# Altium PCB PCB1.PcbDoc (part 1 of 2)
Units mm, origin at the board's own origin, x right, y up, seen from the top; angles counter-clockwise.
Board outline 45.33 x 29.59 mm, 4 copper layers (Top Layer, Int1 (GND), Int2 (PWR), Bottom Layer), stack 1.586 mm thick; 72 components, 53 nets, 240 pads, 118 vias.
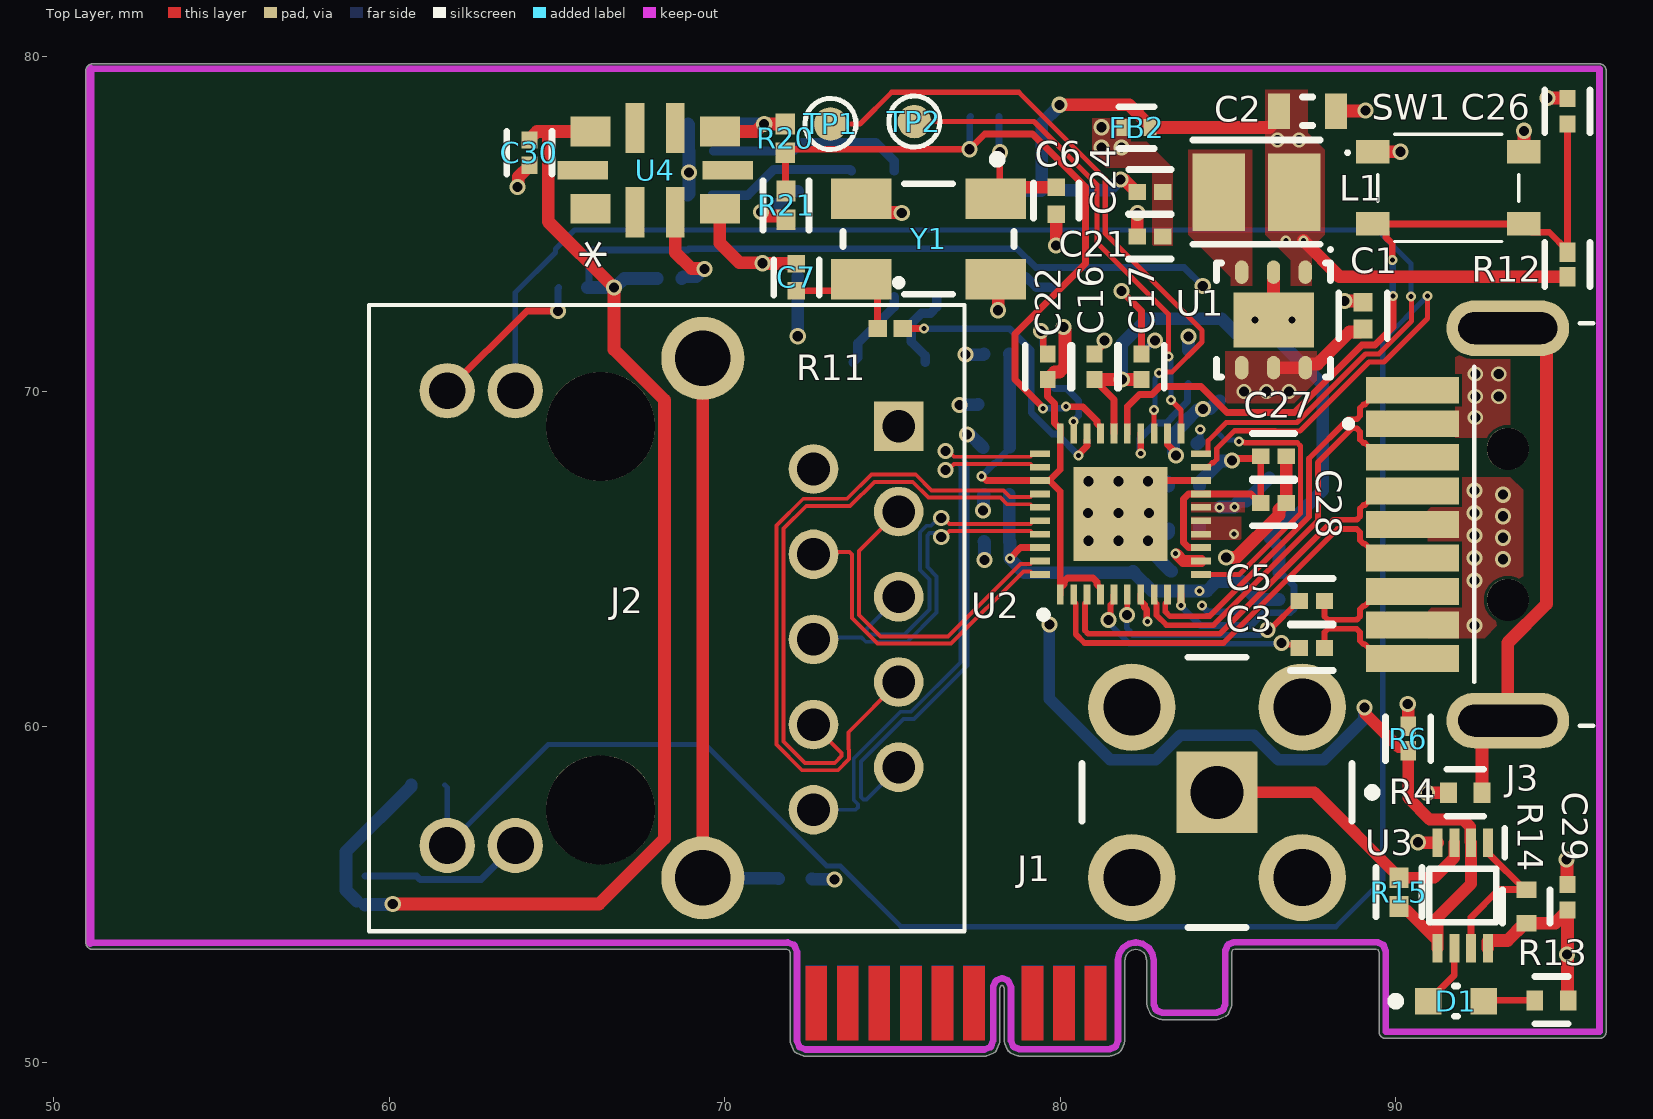
[diagram p0: Top Layer view]
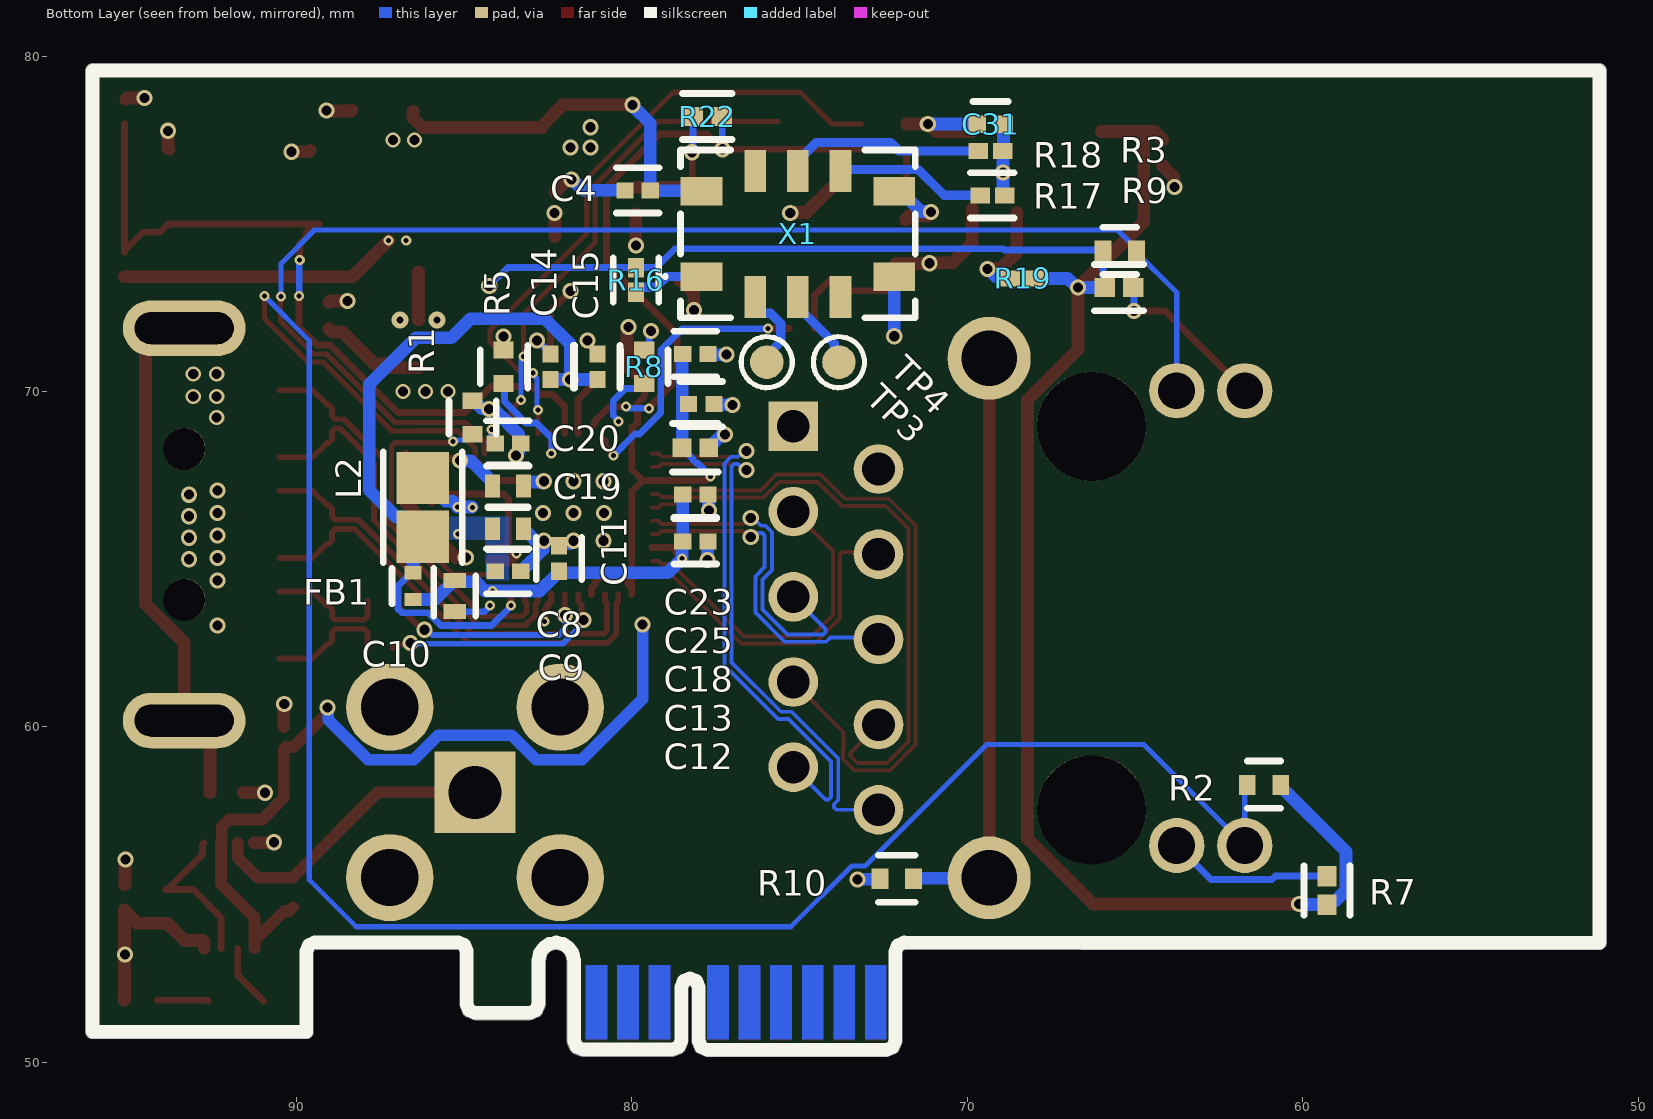
[diagram p1: Bottom Layer view, seen from below]
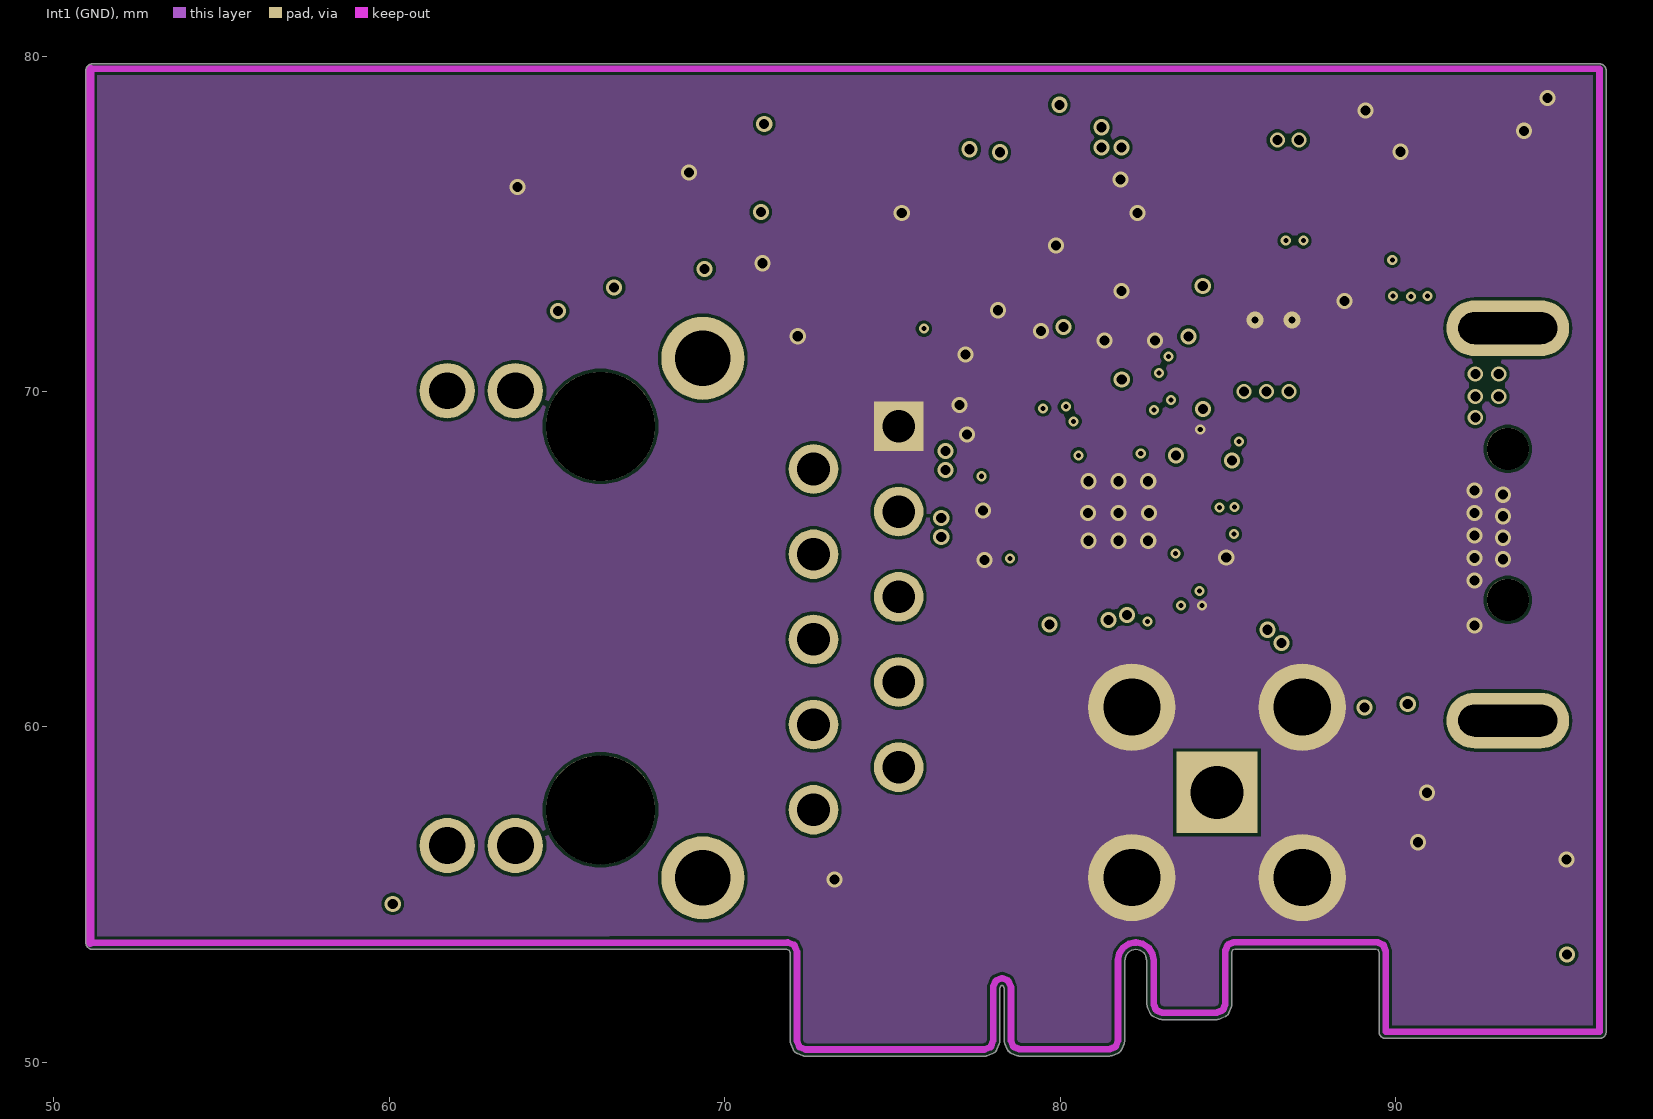
[diagram p2: Int1 (GND)]
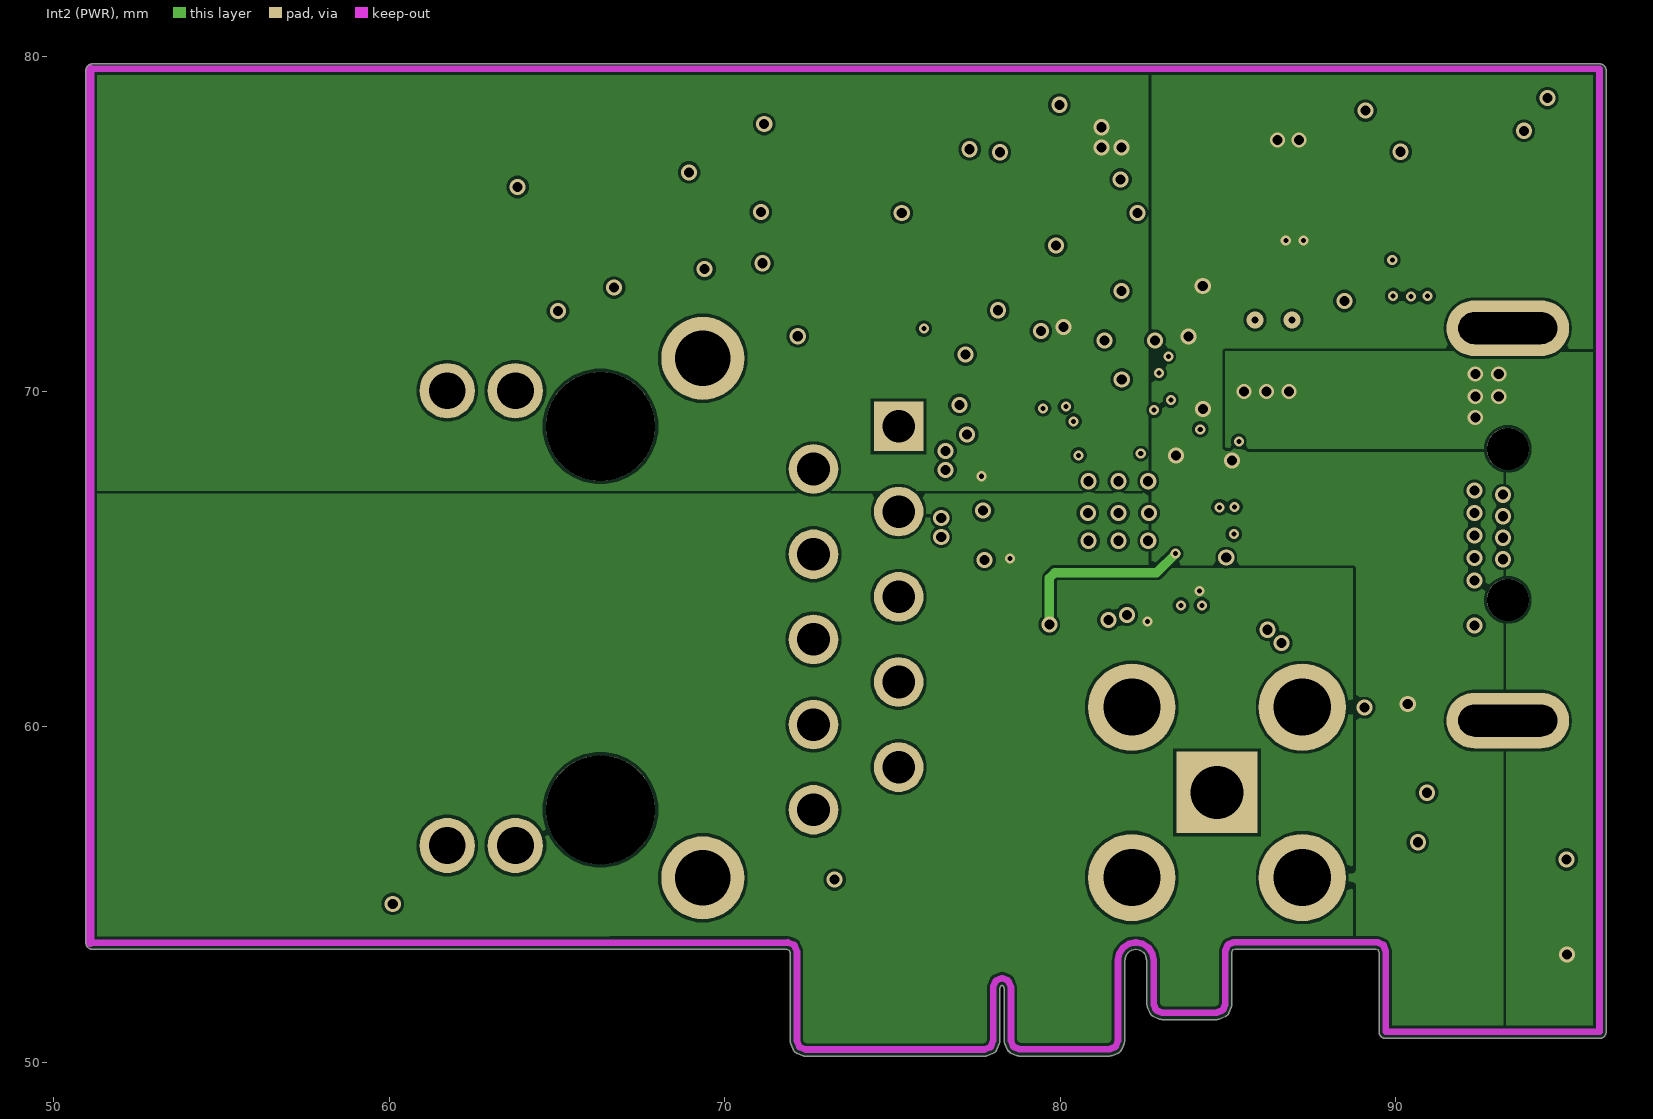
[diagram p3: Int2 (PWR)]
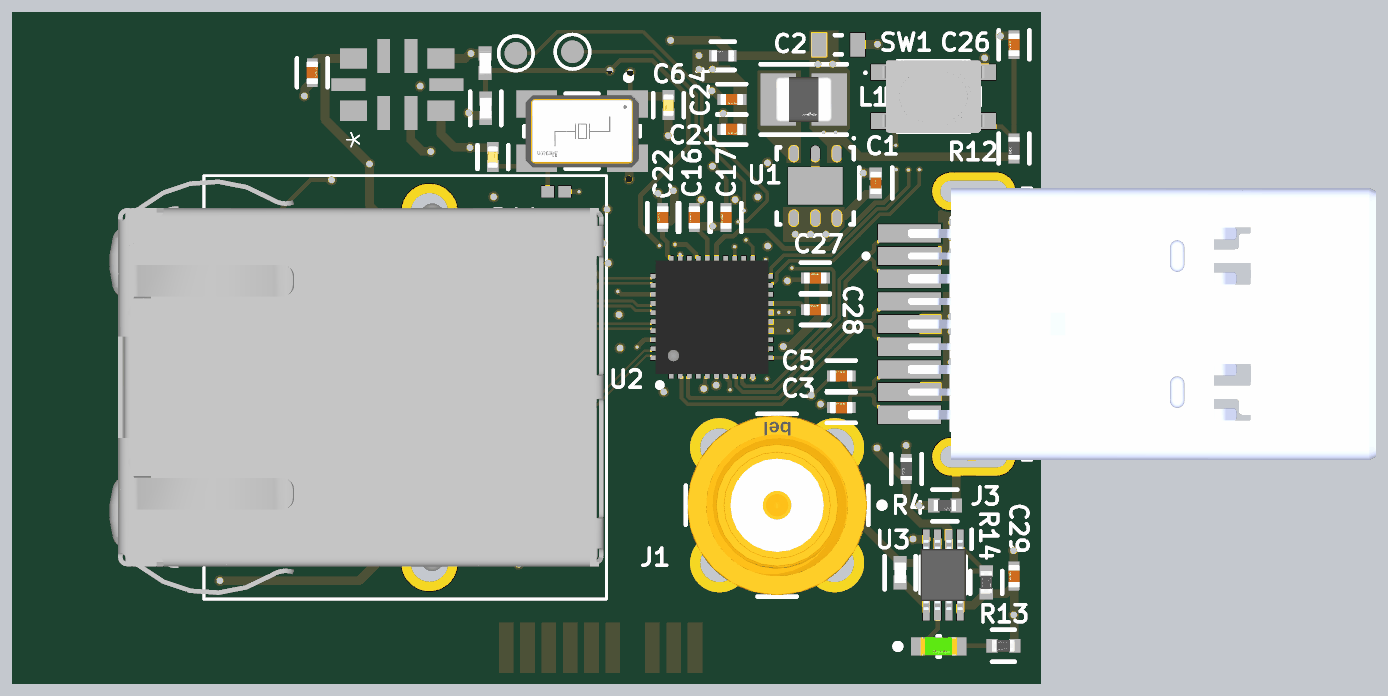
[diagram p5: 3D render of the assembled board from above, using the file's embedded part models]
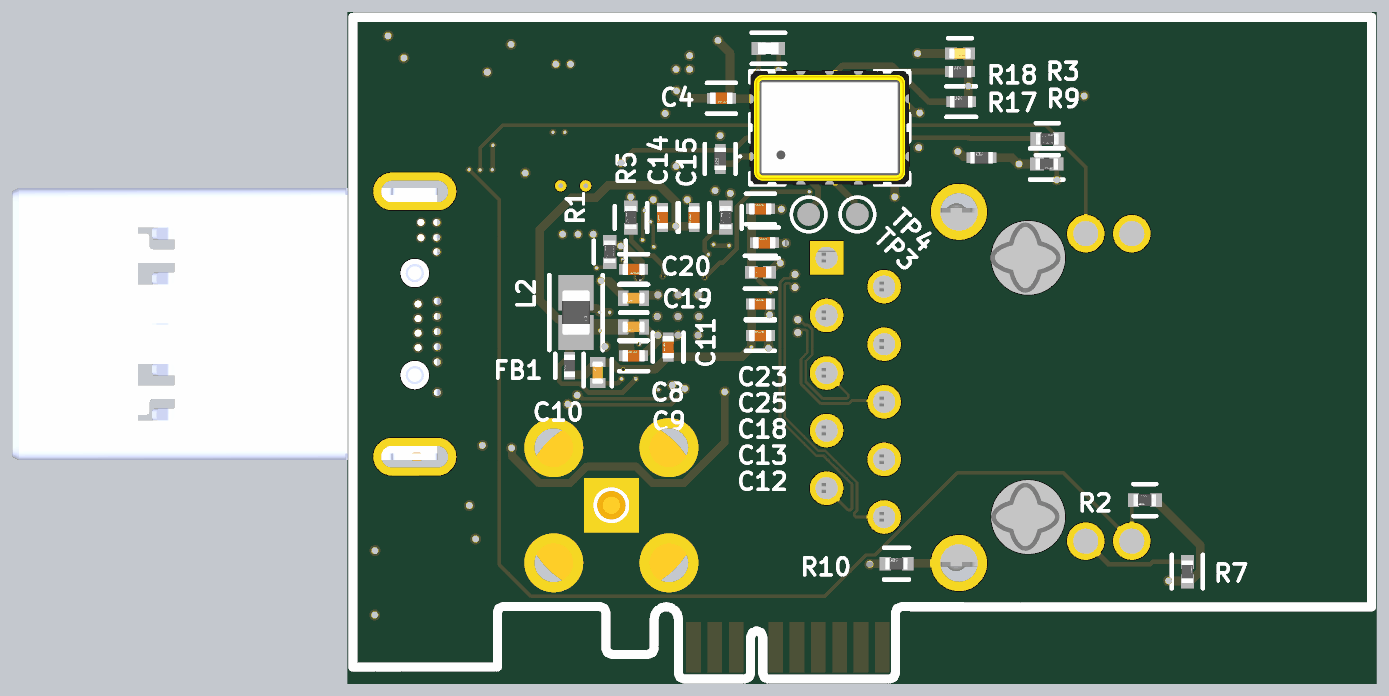
[diagram p6: 3D render of the assembled board from below, using the file's embedded part models]

## Layer stack, top to bottom
Top Solder: solder mask 0.0254, SM-001, Dk 4
Top Layer: signal copper 0.035
Dielectric 1: prepreg 0.2104, PP-017, Dk 4.4
Int1 (GND): signal copper 0.0152
Dielectric 3: core 1.065, Core-039, Dk 4.6
Int2 (PWR): signal copper 0.0152
Dielectric 5: prepreg 0.2104, PP-017, Dk 4.4
Bottom Layer: signal copper 0.035
Bottom Solder: solder mask 0.0254, SM-001, Dk 4

## Board outline
72.33,50.197 ccw(c72.407,50.382) 72.407,50.181 77.743,50.181 ccw(c77.743,50.382) 77.821,50.197 78.003,50.274 ccw(c77.926,50.458) 78.112,50.384 78.185,50.568 78.186,50.568 cw(c78.143,50.585) 78.185,50.568 ccw(c77.999,50.642) 78.2,50.642 78.2,52.207 78.23,52.281 78.265,52.296 78.3,52.281 78.33,52.208 78.33,50.645 ccw(c78.531,50.645) 78.346,50.567 78.421,50.387 ccw(c78.606,50.463) 78.53,50.278 cw(c78.606,50.463) 78.421,50.386 78.421,50.387 78.53,50.278 78.711,50.203 ccw(c78.788,50.389) 78.788,50.188 81.466,50.188 ccw(c81.466,50.389) 81.542,50.204 81.723,50.278 ccw(c81.646,50.464) 81.832,50.387 81.907,50.568 ccw(c81.721,50.645) 81.922,50.645 81.922,53.024 81.951,53.169 82.022,53.276 82.128,53.347 82.254,53.372 82.382,53.346 82.486,53.276 82.556,53.172 82.586,53.024 82.586,51.733 ccw(c82.786,51.733) 82.601,51.657 82.676,51.476 ccw(c82.861,51.552) 82.785,51.367 82.965,51.292 ccw(c83.042,51.477) 83.042,51.277 84.662,51.277 ccw(c84.662,51.477) 84.739,51.292 84.92,51.367 ccw(c84.843,51.552) 85.028,51.476 85.103,51.657 ccw(c84.918,51.733) 85.118,51.733 85.118,53.285 85.146,53.352 85.214,53.38 89.41,53.38 89.477,53.351 89.505,53.277 89.505,50.913 ccw(c89.705,50.913) 89.705,50.713 94.988,50.713 96.042,50.713 ccw(c96.042,50.913) 96.057,50.713 ccw(c96.077,50.913) 96.277,50.913 96.277,79.571 ccw(c96.077,79.571) 96.077,79.771 51.15,79.771 ccw(c51.15,79.571) 50.95,79.571 50.95,53.569 ccw(c51.15,53.569) 51.15,53.369 66.562,53.369 ccw(c66.562,53.571) 66.562,53.369 71.836,53.376 71.918,53.344 71.951,53.261 71.951,50.638 ccw(c72.151,50.638) 71.966,50.561 72.041,50.38 ccw(c72.226,50.457) 72.149,50.272

## Design rules (kind name [scope] priority, off if disabled: settings)
Clearance [All] p1: gap=0.09 ignorepadtopadclearanceinfootprint=FALSE
DiffPairsRouting "MDI DIFF 100" [InDifferentialPairClass('MDI')] p1: maxlimit=0.203 minlimit=0.09 mostfreqgap=0.102 toplayer_minwidth=0.09 toplayer_maxwidth=0.22 toplayer_prefwidth=0.116 bottomlayer_minwidth=0.09 bottomlayer_maxwidth=0.22 bottomlayer_prefwidth=0.116 impedanceprofiledriven=TRUE impedanceprofileid={24BD80DF-1D75-4A22-A0DE-736A4AAFECA8} impedanceprofilevalue=100.000000 maxuncoupledlength=12.7
DiffPairsRouting "USB DIFF 90" [InDifferentialPairClass('USB')] p2: maxlimit=0.203 minlimit=0.09 mostfreqgap=0.102 toplayer_minwidth=0.09 toplayer_maxwidth=0.286 toplayer_prefwidth=0.17 bottomlayer_minwidth=0.09 bottomlayer_maxwidth=0.286 bottomlayer_prefwidth=0.17 impedanceprofiledriven=TRUE impedanceprofileid={1F1D948A-AA84-4394-B91F-08ADAF6ECF40} impedanceprofilevalue=90.000000 maxuncoupledlength=12.7
HoleSize [All] p1: absolutevalues=TRUE maxlimit=6.3 minlimit=0.15 maxpercent=80.000 minpercent=20.000
MinimumSolderMaskSliver [All] p1: minsoldermaskwidth=0.13
PlaneConnect [All] p1: planeconnectstyle=Direct reliefexpansion=0.508 reliefentries=4 reliefconductorwidth=0.254 reliefairgap=0.254
PolygonConnect [All] p1: connectstyle=Direct reliefconductorwidth=0.254 reliefentries=4 polygonreliefangle="90 Angle" airgapwidth=0.254
RoutingVias [All] p1: holewidth=0.3 width=0.48 viastyle="Through Hole" minholewidth=0.15 minwidth=0.25 maxholewidth=6.3 maxwidth=1.27
SilkToSilkClearance [All] p1: silktosilkclearance=0.152
SolderMaskExpansion [All] p1: expansion=0.038 istentingtop=FALSE
Width Width_PPS [InNetClass('PPS_S50')] p1: maxlimit=0.349 minlimit=0.276 preferedwidth=0.349 toplayer_minwidth=0.349 midlayer1_maxwidth=0.276 midlayer1_prefwidth=0.276 midlayer2_maxwidth=0.276 midlayer2_prefwidth=0.276 bottomlayer_minwidth=0.349 impedanceprofiledriven=TRUE impedanceprofileid={6F4AEAFD-015C-4908-80CB-7857E922576F} impedanceprofilevalue=50.000000 minimp=50.000000 maximp=50.000000 favimp=50.000000
Width [All] p2: maxlimit=0.381 minlimit=0.09 preferedwidth=0.203 midlayer1_minwidth=0.152 midlayer2_minwidth=0.152 minimp=50.000000 maximp=50.000000 favimp=50.000000
25 further rules are at their usual default settings.

## Classes and differential pairs
net class PPS_S50: 1PPS 1PPS_BUFF
differential pair class MDI: MDI0 MDI1 MDI2 MDI3
differential pair class USB: D SSRX SSTX USB3.0_SSTX
differential pair MDI0: +MDI0_P -MDI0_N
differential pair USB3.0_SSTX: +USB3.0_SSTX_P -USB3.0_SSTX_N
differential pair SSTX: +SSTX_P -SSTX_N
differential pair SSRX: +SSRX_P -SSRX_N
differential pair MDI3: +MDI3_P -MDI3_N
differential pair MDI2: +MDI2_P -MDI2_N
differential pair MDI1: +MDI1_P -MDI1_N
differential pair D: +D_P -D_N

## Components (designator, comment, footprint, x,y, rotation, side; value= is the part's Value field where it differs from the comment)
C1 "4u7F" FP-0402-L_1_0_0_15-W_0_5-IPC_C 89.027,72.263 r270 top value=4.7uF
C2 "22uF" CAPC1608X100X20ML10 87.376,78.359 r180 top
C3 "100nF" FP-CL251-IPC_C 87.503,62.357 r180 top
C4 "100nF" FP-CL251-IPC_C 79.825,76 r180 bottom
C5 "100nF" FP-CL251-IPC_C 87.503,63.754 r180 top
C6 "15pF" FP-CBR04C-MFG 79.883,75.692 r270 top value="15 pF"
C7 "15pF" FP-CBR04C-MFG 72.136,73.406 r90 top value="15 pF"
C8 "10uF" FP-CL05A106MP5NUNC-MFG 83.693,65.913 r0 bottom
C9 "100nF" FP-CL251-IPC_C 83.693,64.643 r0 bottom
C10 "10uF" FP-CL05A106MP5NUNC-MFG 85.275,63.9 r90 bottom
C11 "100nF" FP-CL251-IPC_C 82.169,65.024 r270 bottom
C12 "100nF" FP-CL251-IPC_C 78.105,65.532 r0 bottom
C13 "100nF" FP-CL251-IPC_C 78.105,66.929 r0 bottom
C14 "100nF" FP-CL251-IPC_C 82.423,70.739 r270 bottom
C15 "100nF" FP-CL251-IPC_C 81.026,70.739 r270 bottom
C16 "100nF" FP-CL251-IPC_C 81.026,70.739 r270 top
C17 "100nF" FP-CL251-IPC_C 82.423,70.739 r270 top
C18 "4u7F" FP-0402-L_1_0_0_15-W_0_5-IPC_C 78.105,68.326 r0 bottom value=4.7uF
C19 "10uF" FP-CL05A106MP5NUNC-MFG 83.693,67.183 r0 bottom
C20 "100nF" FP-CL251-IPC_C 83.693,68.453 r180 bottom
C21 "100nF" FP-CL251-IPC_C 82.675,74.625 r0 top
C22 "100nF" FP-CL251-IPC_C 79.629,70.739 r270 top
C23 "100nF" FP-CL251-IPC_C 78.105,71.12 r0 bottom
C24 "100nF" FP-CL251-IPC_C 82.677,75.946 r0 top
C25 "100nF" FP-CL251-IPC_C 77.929,69.625 r0 bottom
C26 "100nF" FP-CL251-IPC_C 95.123,78.357 r270 top
C27 "100nF" FP-CL251-IPC_C 86.36,68.072 r180 top
C28 "100nF" FP-CL251-IPC_C 86.36,66.675 r180 top
C29 "100nF" FP-CL251-IPC_C 95.125,54.925 r270 top
C30 "100nF" FP-CL251-IPC_C 64.175,77.125 r90 top
C31 "15pF" FP-CBR04C-MFG 69.3,77.975 r180 bottom value="15 pF"
D1 "APT1608ZGCK" FP-APT1608ZGCK-MFG 91.8,51.825 r0 top
FB1 "BLM15PD800SN1D" FP-BLM15-0_05-MFG 86.525,64.2 r270 bottom
FB2 "BLM15PD800SN1D" FP-BLM15-0_05-MFG 82.277,77.87 r180 top
J1 "142-0701-201" FP-142-0701-201-MFG 84.675,58.05 r180 top
J2 "2250015-2" CONN_2250015-2 66.294,63.246 r270 top
J3 "GSB316441CEU" CONN_AMPHENOL_GSB316441CEU 93.345,66.04 r90 top locked
L1 "3u3H" FP-LQM2HPN_G0-IPC_A 85.852,75.946 r0 top value=3.3uH
L2 "2u2H" FP-MLZ2012-0_85-IPC_A 86.233,66.548 r270 bottom value=2.2uH
R1 "4k7" FP-RT0402-MFG 84.75,69.225 r90 bottom value=4.7KΩ
R2 "4k7" FP-RT0402-MFG 61.15,58.275 r0 bottom value=4.7KΩ
R3 "4k7" FP-RT0402-MFG 65.45,74.2 r180 bottom value=4.7KΩ
R4 "1M" FP-RMCF0402-MFG 92.075,58.039 r0 top value=1MR
R5 "4k7" FP-RT0402-MFG 83.82,70.739 r90 bottom value=4.7KΩ
R6 "10k" FP-RMCF0402-IPC_C 90.375,59.65 r270 top value=10kR
R7 "330" FP-RC1005-IPC_B 59.275,55.125 r90 bottom value=330R
R8 "24k" FP-RT0402-MFG 79.629,70.739 r90 bottom value=24KΩ
R9 "330" FP-RC1005-IPC_B 65.475,73.1 r180 bottom value=330R
R10 "1M" FP-RMCF0402-MFG 72.1,55.475 r0 bottom value=1MR
R11 "200" RESC1005X40X25LL10T10 74.93,71.882 r0 top value=200R
R12 "10k" FP-RMCF0402-IPC_C 95.123,73.787 r270 top value=10kR
R13 "4k7" FP-RT0402-MFG 94.65,51.85 r180 top value=4.7KΩ
R14 "4k7" FP-RT0402-MFG 93.9,54.65 r270 top value=4.7KΩ
R15 "0 Ohm" FP-CR0402-IPC_B 90.1,55.075 r270 top value=0R
R16 "10k" FP-RMCF0402-IPC_C 79.875,73.325 r270 bottom value=10kR
R17 "10k" FP-RMCF0402-IPC_C 69.25,75.85 r0 bottom value=10kR
R18 "10k" FP-RMCF0402-IPC_C 69.3,77.175 r0 bottom value=10kR
R19 "10k" FP-RMCF0402-IPC_C 68.35,73.375 r0 bottom value=10kR
R20 "0 Ohm" FP-CR0402-IPC_B 71.8,77.55 r270 top value=0R
R21 "0 Ohm" FP-CR0402-IPC_B 71.825,75.55 r90 top value=0R
R22 "0 Ohm" FP-CR0402-IPC_B 77.75,78.2 r180 bottom value=0R
SW1 "SW_PTS815_SJG_250_SMTR_LFS" SW_PTS815SJG250SMTRLFS 91.567,76.073 r0 top
TP1 "Test Point 1MM" TP_PAD-1MM 73.152,77.978 r0 top
TP2 "Test Point 1MM" TP_PAD-1MM 75.65,78.05 r90 top
TP3 "Test Point 1MM" TP_PAD-1MM 75.975,70.875 r90 bottom
TP4 "Test Point 1MM" TP_PAD-1MM 73.825,70.875 r90 bottom
U1 "ST1S06PU33R" DFN6D_L 86.36,72.136 r270 top
U2 "AX88179B" IC_AX88179B_QFN40_5X5 81.801,66.348 r90 top
U3 "NC7WV125K8X" SOP50P310X90-8N 92,54.975 r270 top
U4 "TG5032CGN 40.0000M-CAGHNA0" "QFN10_TG5032CGN 40.0000M-CAGHNA0_EPS" 67.925,76.6 r90 top
X1 "SIT5501AI-WUG33JT-10.000000" XTAL_SIT5501_70X50 75.05,74.7 r90 bottom
Y1 "ABM3B-20.000MHZ-10-1-U-T" FP-ABM3B-MFG 76.073,74.549 r180 top

## Footprints (in the part's own frame and the unit in brackets; to place one, negate y for a bottom-side part, rotate by r counter-clockwise, add the part's x,y. Pads: shape width x height; smd on the part's side, far side on the other; paste and mask are expansions set on the pad)
CAPC1608X100X20ML10 [mm] "Chip Capacitor, 2-Leads, Body 1.70x0.90mm, IPC Low Density"
  rect 0.65x1.05 smd: 1(-0.85,0) 2(0.85,0)
  silkscreen extent -0.15,-0.43 0.15,0.43, body extent -0.85,-0.45 0.85,0.45, height 1
CONN_2250015-2 [mm]
  rect 1.478x1.478 hole 0.97: 1(-5.715,8.89)
  round 1.478 hole 0.97: 2(-4.445,6.35) 3(-3.175,8.89) 4(-1.905,6.35) 5(-0.635,8.89) 6(0.635,6.35) 7(1.905,8.89) 8(3.175,6.35) 9(4.445,8.89) 10(5.715,6.35)
  round 1.65 hole 1.1: 11(-6.78,-2.54) 12(-6.78,-4.57) 13(6.78,-2.54) 14(6.78,-4.57)
  round 2.475 hole 1.65: S1(-7.745,3.05) S2(7.745,3.05)
  round 3.25 hole 3.25 unplated: ""(-5.715,0) ""(5.715,0)
  silkscreen extent -10.1,-6.9 9.34,10.85, body extent -9.17,-11.07 9.15,10.72, height 14.97
CONN_AMPHENOL_GSB316441CEU [mm]
  rect 0.8x2.78 smd: 1(3,2.84) 2(1,2.84) 3(-1,2.84) 4(-3,2.84) 5(-4,2.84) 6(-2,2.84) 7(0,2.84) 8(2,2.84) 9(4,2.84)
  oval 1.66x3.66 hole 0.95 slot 2.95 at 90 deg: SH1(-5.85,0) SH2(5.85,0)
  round 1.25 hole 1.25 unplated: ""(-2.25,0) ""(2.25,0)
  silkscreen extent -6,-2.55 6,4.85, body extent -6,-17.75 6,2.9, height 3.2
DFN6D_L [mm] "SON, 6-Leads, Body 3x3mm, Pitch 0.95mm, Thermal Pad 2.4x1.65mm, IPC High Density"
  oval 0.7x0.4 smd: 1(-1.425,0.95) 2(-1.425,0) 3(-1.425,-0.95) 4(1.425,-0.95) 5(1.425,0) 6(1.425,0.95)
  rect 1.65x2.4 smd: 7(0,0)
  silkscreen extent -2.15,-1.7 1.7,1.75, body extent -1.55,-1.55 1.55,1.55, height 0.95
FP-142-0701-201-MFG [mil]
  rect 95.46x95.46 hole 62 paste-99999 mask+0: 1(0,0)
  round 102.43 hole 67 paste-99999 mask+0: 2(-100,100) 3(100,100) 4(-100,-100) 5(100,-100)
  silkscreen extent -187,-158 158,158, body extent -162,-162 162,162, height 10
FP-0402-L_1_0_0_15-W_0_5-IPC_C [mm]
  rect 0.56x0.562 smd paste+0 mask+0: 1(-0.401,0) 2(0.401,0)
  silkscreen extent -0.68,-0.72 0.68,0.72, body extent -0.78,-0.43 0.78,0.43, height 0.25
FP-ABM3B-MFG [mm]
  rect 1.8x1.2 smd paste+0 mask+0: 1(-2,-1.2) 2(2,-1.2) 3(2,1.2) 4(-2,1.2)
  silkscreen extent -2.55,-2.5 2.55,1.65, body extent -3,-1.9 3,1.9, height 0.25
FP-APT1608ZGCK-MFG [mm]
  rect 0.8x0.8 smd paste+0 mask+0: 1(-0.825,0) 2(0.825,0)
  silkscreen extent -1.92,-0.45 0.05,0.45, body extent -1.33,-0.55 1.33,0.55, height 0.25
FP-BLM15-0_05-MFG [mm]
  rect 0.4x0.5 smd paste+0 mask+0: 1(-0.4,0) 2(0.4,0)
  silkscreen extent -0.53,-0.63 0.52,0.63, body extent -0.5,-0.25 0.5,0.25, height 0.55
FP-CBR04C-MFG [mm]
  rect 0.52x0.52 smd paste+0 mask+0: 1(-0.4,0) 2(0.4,0)
  silkscreen extent -0.53,-0.68 0.53,0.67, body extent -0.8,-0.4 0.8,0.4, height 0.25
FP-CL05A106MP5NUNC-MFG [mm]
  rect 0.45x0.675 smd paste+0 mask+0: 1(-0.463,0) 2(0.463,0)
  silkscreen extent -0.6,-0.63 0.6,0.63, body extent -0.5,-0.25 0.5,0.25, height 0.7
FP-CL251-IPC_C [mm]
  rect 0.515x0.472 smd paste+0 mask+0: 1(-0.379,0) 2(0.379,0)
  silkscreen extent -0.64,-0.67 0.64,0.67, body extent -0.74,-0.38 0.74,0.38, height 0.25
FP-CR0402-IPC_B [mm]
  rect 0.615x0.572 smd paste+0 mask+0: 1(-0.429,0) 2(0.429,0)
  silkscreen extent -0.74,-0.69 0.74,0.69, body extent -0.89,-0.44 0.89,0.44, height 0.25
FP-LQM2HPN_G0-IPC_A [mm]
  rect 1.555x2.306 smd paste+0 mask+0: 1(-1.126,0) 2(1.126,0)
  silkscreen extent -1.9,-1.55 1.9,1.55, body extent -2.4,-1.65 2.4,1.65, height 0.25
FP-MLZ2012-0_85-IPC_A [mm]
  rect 1.554x1.556 smd paste+0 mask+0: 1(-0.876,0) 2(0.876,0)
  silkscreen extent -1.65,-1.18 1.65,1.18, body extent -1,-0.63 1,0.63, height 1.05
FP-RC1005-IPC_B [mm]
  rect 0.615x0.572 smd paste+0 mask+0: 1(-0.429,0) 2(0.429,0)
  silkscreen extent -0.74,-0.69 0.74,0.69, body extent -0.5,-0.25 0.5,0.25, height 0.4
FP-RMCF0402-IPC_C [mm]
  rect 0.581x0.472 smd paste+0 mask+0: 1(-0.366,0) 2(0.366,0)
  silkscreen extent -0.66,-0.67 0.66,0.67, body extent -0.5,-0.25 0.5,0.25, height 0.4
FP-RMCF0402-MFG [mm]
  rect 0.5x0.6 smd paste+0 mask+0: 1(-0.5,0) 2(0.5,0)
  silkscreen extent -0.55,-0.7 0.55,0.7, body extent -0.85,-0.4 0.85,0.4, height 0.25
FP-RT0402-MFG [mm]
  rect 0.5x0.6 smd paste+0 mask+0: 1(-0.5,0) 2(0.5,0)
  silkscreen extent -0.5,-0.71 0.5,0.7, body extent -0.5,-0.25 0.5,0.25, height 0.35
IC_AX88179B_QFN40_5X5 [mm]
  rect 0.6x0.2 smd paste-2539.97: 1(-2.4,1.8) 2(-2.4,1.4) 3(-2.4,1) 4(-2.4,0.6) 5(-2.4,0.2) 6(-2.4,-0.2) 7(-2.4,-0.6) 8(-2.4,-1) 9(-2.4,-1.4) 10(-2.4,-1.8) 21(2.4,-1.8) 22(2.4,-1.4) 23(2.4,-1) 24(2.4,-0.6) 25(2.4,-0.2) 26(2.4,0.2) 27(2.4,0.6) 28(2.4,1) 29(2.4,1.4) 30(2.4,1.8)
  rect 0.2x0.6 smd paste-2539.97: 11(-1.8,-2.4) 12(-1.4,-2.4) 13(-1,-2.4) 14(-0.6,-2.4) 15(-0.2,-2.4) 16(0.2,-2.4) 17(0.6,-2.4) 18(1,-2.4) 19(1.4,-2.4) 20(1.8,-2.4) 31(1.8,2.4) 32(1.4,2.4) 33(1,2.4) 34(0.6,2.4) 35(0.2,2.4) 36(-0.2,2.4) 37(-0.6,2.4) 38(-1,2.4) 39(-1.4,2.4) 40(-1.8,2.4)
  rect 2.8x2.8 smd paste-2539.97: 41(0,0)
  silkscreen extent -3.09,2.21 -2.91,2.39, body extent -2.51,-2.51 2.51,2.51, height 0.65
"QFN10_TG5032CGN 40.0000M-CAGHNA0_EPS" [mil]
  rect 35x47 smd paste+0 mask+0: 1(-45.28,75.79) 4(-45.28,-75.79) 6(45.28,-75.79) 9(45.28,75.79)
  rect 59x22 smd paste+0 mask+0: 2(-49.5,23.62) 3(-49.5,-23.62) 7(49.5,-23.62) 8(49.5,23.62)
  rect 22x59 smd paste+0 mask+0: 5(0,-85) 10(0,85)
RESC1005X40X25LL10T10 [mm] "Chip Resistor, 2-Leads, Body 1.00x0.50mm, IPC High Density"
  rect 0.55x0.5 smd: 1(-0.375,0) 2(0.375,0)
  body extent -0.55,-0.3 0.55,0.3, height 0.4
SOP50P310X90-8N [mm]
  rect 0.85x0.3 smd: 1(-1.575,0.75) 2(-1.575,0.25) 3(-1.575,-0.25) 4(-1.575,-0.75) 5(1.575,-0.75) 6(1.575,-0.25) 7(1.575,0.25) 8(1.575,0.75)
  silkscreen extent -2,-1 0.8,1.25, body extent -1.55,-1 1.55,1, height 0.9
SW_PTS815SJG250SMTRLFS [mm]
  rect 1x0.7 smd: 1(-2.25,1.075) 2(2.25,1.075) 3(-2.25,-1.075) 4(2.25,-1.075)
  silkscreen extent -3.05,-1.6 2.1,1.6, body extent -2.25,-1.6 2.25,1.6, height 2.5
TP_PAD-1MM [mm]
  round 1 smd mask+0: 1(0,0)
  silkscreen extent -0.76,-0.76 0.76,0.76
XTAL_SIT5501_70X50 [mm]
  rect 0.85x1.25 smd: 1(-1.27,2.875) 5(-1.27,-2.875) 6(1.27,-2.875) 10(1.27,2.875)
  rect 1.25x0.65 smd: 2(-1.875,1.27) 3(-1.875,0) 4(-1.875,-1.27) 7(1.875,-1.27) 8(1.875,0) 9(1.875,1.27)
  silkscreen extent -2.5,-3.5 2.5,4, body extent -2.5,-3.5 2.5,3.5, height 2.06

## Part data
C1 C18: library part CMP-14477-004104-2, "Ceramic Capacitor General Use 4.7uF ±20% 10V X5R 0402", Capacitance=4.7uF, Case Code (Imperial)=0402, Case Code (Metric)=1005, Dielectric=X5R, Manufacturer="Taiyo Yuden", Manufacturer Part Number=LMK105BBJ475MVLF, Max Operating Temperature=85°C, Min Operating Temperature=-55°C, Package Quantity=10000, Resistor Type=Ceramic, Supplier Part Number=587-3408-1-ND, Tolerance=20%, Voltage Rating=10V, Case/Package=0402, Category="Ceramic Capacitors", ComponentLink1Description=https://datasheet.ciiva.com/24462/423lmk105bbj475mvlf-24462535.pdf?src-supplier=Onlinecomponents.com, ComponentLink1URL=https://datasheet.ciiva.com/24462/423lmk105bbj475mvlf-24462535.pdf?src-supplier=Onlinecomponents.com, ComponentLink2Description=https://datasheet.ciiva.com/18697/mlcc-all-e-18697686.pdf?src-supplier=Digikey, ComponentLink2URL=https://datasheet.ciiva.com/18697/mlcc-all-e-18697686.pdf?src-supplier=Digikey, ComponentLink3Description=https://datasheet.ciiva.com/18697/mlcc-all-e-18697685.pdf?src-supplier=Digikey, ComponentLink3URL=https://datasheet.ciiva.com/18697/mlcc-all-e-18697685.pdf?src-supplier=Digikey, Construction=Flat, Halogen Free="Halogen Free", Height=0.5mm, Length=1mm, Material=4241ConductorMaterial, Mount="Surface Mount", Mounting Technology="Surface Mount", Packaging="Tape and Reel", Pricing="1=0.19, 10=0.12, 50=0.076, 100=0.0607, 500=0.04386, 1000=0.03879, 2500=0.03711, 5000=0.03373 (USD)", RoHS=Yes, RoHS Compliant=Yes, Series=M, Stock=753964, Supplier=Digikey, Termination=SMD/SMT, Thickness=0.022inch, Voltage Rating (DC)=10V, Weight=2.3E-05oz, Width=0.02inch
C2: library part CMP-2000-05441-1, "Chip Capacitor, 22 uF, +/- 20%, 10 V, -55 to 85 degC, 0603 (1608 Metric), RoHS, Tape and Reel", Capacitance=22µF, Case Code (Imperial)=0603, Case Code (Metric)=1608, Dielectric=X5R, Dielectric Material=Ceramic, Manufacturer=TDK, Manufacturer Part Number=C1608X5R1A226M080AC, Max Operating Temperature=85°C, Min Operating Temperature=-55°C, Operating Temperature=-55degC~85degC, Package / Case=0603(1608Metric), Package Description="2-Pin Surface Mount Device, Body 1.6 x 0.8 mm", Package Quantity=4000, Package Reference=603, PCN Part Number=MLCCPartNumberChange30/Nov/2012, Ratings=-, Standard Package=1, Supplier Part Number=445-9077-1-ND, Tolerance=±20%, Voltage - Rated=10V, Applications=GeneralPurpose, Case/Package=0603, Category=Capacitors, ComponentLink1Description=https://datasheet.ciiva.com/6274/tdkmlcccaprange-6274860.pdf?src-supplier=Digikey, ComponentLink1URL=https://datasheet.ciiva.com/6274/tdkmlcccaprange-6274860.pdf?src-supplier=Digikey, ComponentLink2Description=https://datasheet.ciiva.com/6274/tdkmlcccaprange-6274859.pdf?src-supplier=Digikey, ComponentLink2URL=https://datasheet.ciiva.com/6274/tdkmlcccaprange-6274859.pdf?src-supplier=Digikey, ComponentLink3Description=https://datasheet.ciiva.com/6274/tdkmlcccaprange-6274861.pdf?src-supplier=Digikey, ComponentLink3URL=https://datasheet.ciiva.com/6274/tdkmlcccaprange-6274861.pdf?src-supplier=Digikey, ComponentLink4Description=https://datasheet.ciiva.com/24216/mlcc-commercial-general-en-24216575.pdf?src-supplier=Mouser, ComponentLink4URL=https://datasheet.ciiva.com/24216/mlcc-commercial-general-en-24216575.pdf?src-supplier=Mouser, Datasheet URL=http://download.siliconexpert.com/pdfs/2015/4/21/15/54/45/779/tdk_/manual/37024850441143360mlcc_commercial_general_en.pdf, Datasheet Version=Mar-15, Design Resources=20WNon-IsolatedBuckLEDDriverUsingPLLNK460KG, Family=CeramicCapacitors, Features=-, Height=0.8mm, Height - Seated (Max)=-, Kits=445-9014-KIT-ND-KITMLCC100PF-22UF060310-50V, Lead Free="Lead Free", Lead Spacing=-, Lead Style=-, Length=1.6mm, Manufacturer URL=http://www.tdk.com/, Material=4241ConductorMaterial, Mounting Technology="Surface Mount", Mounting Type=SurfaceMount,MLCC, Online Catalog=CSeries,GeneralPurpose, Other Names=445-9077-1, Packaging=CutTape(CT), Pricing="1=0.33, 10=0.219, 50=0.1612, 100=0.1312, 500=0.1036, 1000=0.08748 (USD)", Product Training Modules=CSeriesGeneralApplicationsSEAT,CCV,andTVCLDesignToolsGuidetoReplacinganElectrolyticCapacitorwithanMLCC, Reach SVHC Compliant=No, RoHS=Yes, RoHS Compliant=Yes, RoHS Information=RoHSCertificate-MLCC, Series=C, Size / Dimension="0.063\"Lx0.031\"W(1.60mmx0.80mm)", Stock=1433584, Supplier=Digikey, Temperature Coefficient=X5R, Termination=SMD/SMT, Thickness (Max)="0.035\"(0.90mm)", Voltage Rating=10V, Voltage Rating (DC)=10V, Weight=7.1E-05oz, Width=0.8mm